# Altium PCB ESM-4G-V1.1 SMT.PcbDoc
Units mil, origin at the board's own origin, x right, y up, seen from the top; angles counter-clockwise.
Board outline 2362.21 x 3543.31 mil, 2 copper layers (Top Layer, Bottom Layer), stack 63.036 mil thick; 75 components, 62 nets, 279 pads, 2 vias.
Unrouted connection lines stored in the file: 183.
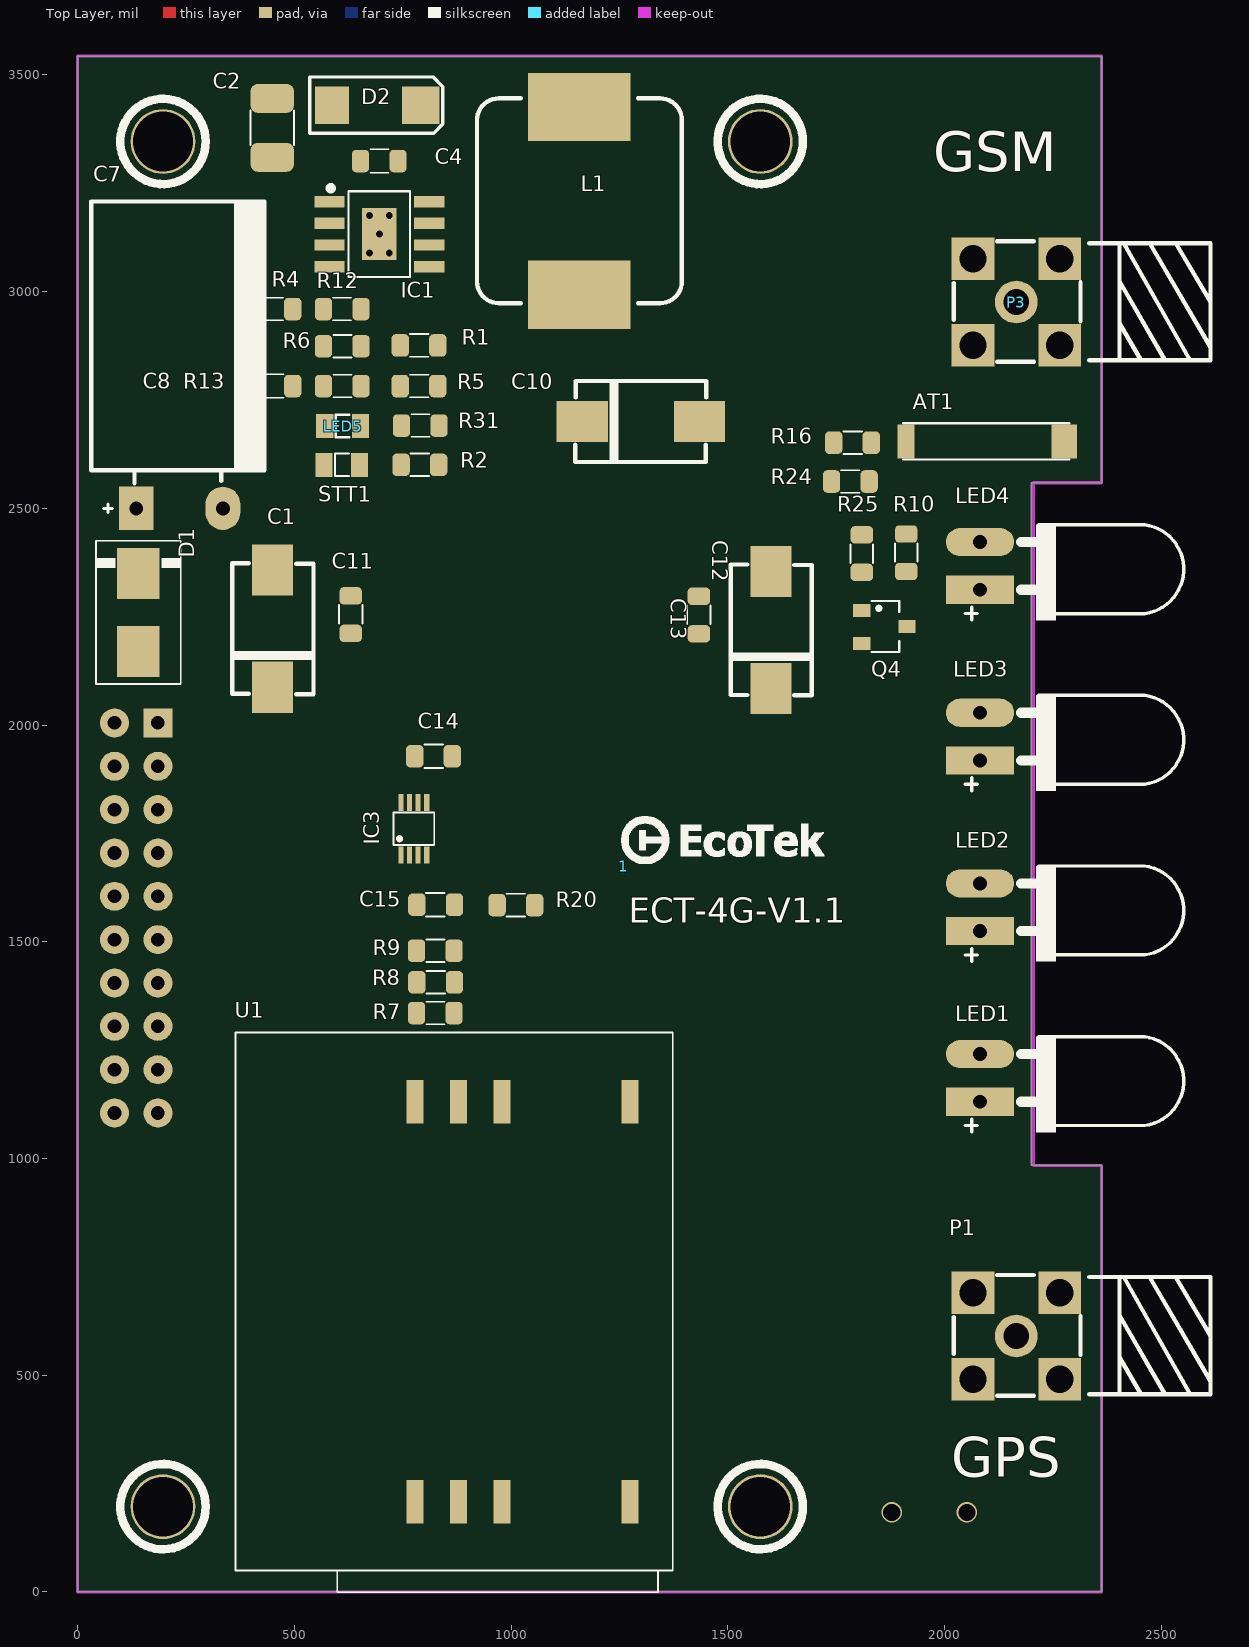
[diagram p0: Top Layer view]
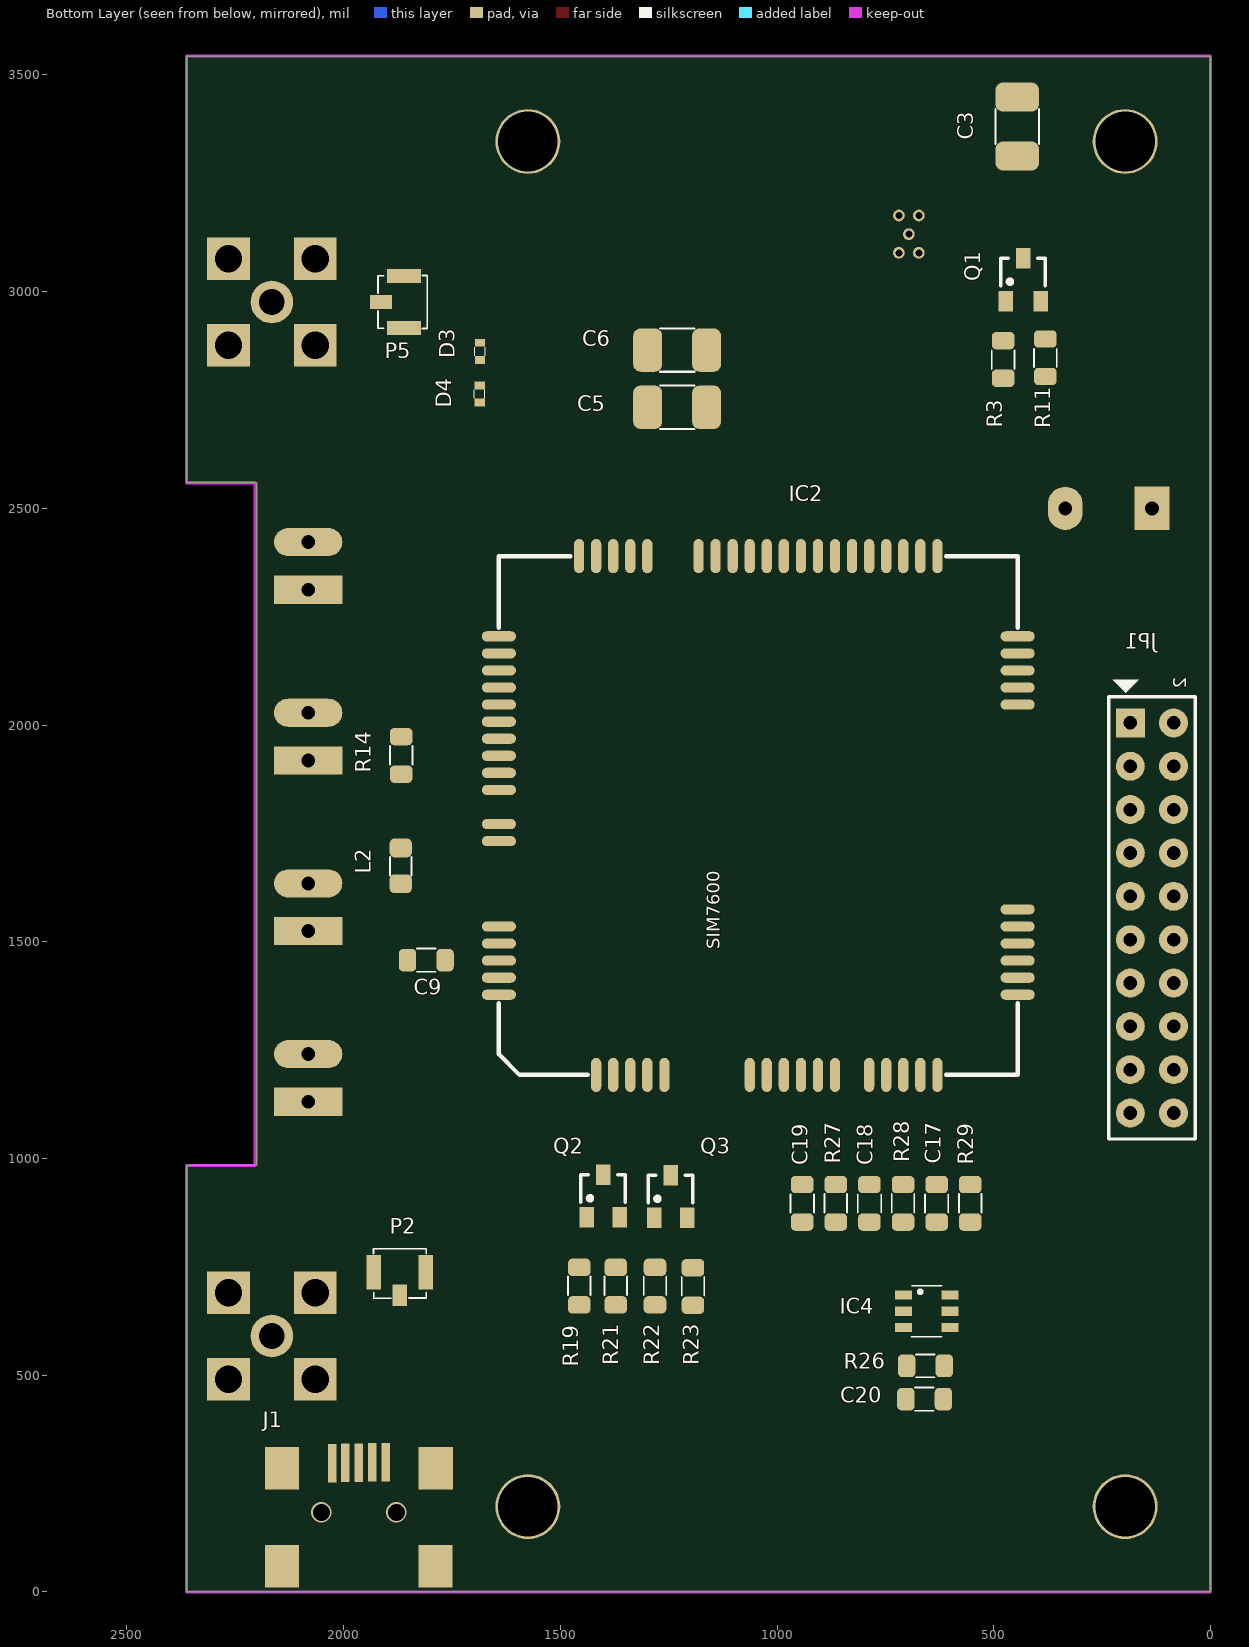
[diagram p1: Bottom Layer view, seen from below]

## Layer stack, top to bottom
Top Solder: solder mask 0.4, Solder Resist, Dk 3.5
Top Layer: signal copper 1.4
Dielectric 1: core 60.2362, FR-4, Dk 4
Bottom Layer: signal copper 1.4
Bottom Solder: solder mask 0.4, Solder Resist, Dk 3.5

## Board outline
0,0 0,3543.31 2362.2,3543.31 2362.2,2559.06 2200,2559.06 2200,984.25 2362.2,984.25 2362.2,0

## Design rules (kind name [scope] priority, off if disabled: settings)
Clearance Clearance_1 [OnLayer('Keep-Out Layer')] p1: gap=5.98 ignorepadtopadclearanceinfootprint=FALSE except(0: Arc-Hole Track-Hole SMDPad-Hole THPad-Hole Via-Hole Fill-Hole Poly-Hole Region-Hole Text-Hole)
Clearance Clearance_ATN [InNet('NetC9_1') or InNet('NetP1_1')] p2: gap=5.98 ignorepadtopadclearanceinfootprint=FALSE except(0: Arc-Hole Track-Hole SMDPad-Hole THPad-Hole Via-Hole Fill-Hole Poly-Hole Region-Hole Text-Hole)
Clearance Clearance_GND [inPolygon] p3: gap=27 ignorepadtopadclearanceinfootprint=FALSE except(0: Arc-Hole Track-Hole SMDPad-Hole THPad-Hole Via-Hole Fill-Hole Poly-Hole Region-Hole Text-Hole)
Clearance [All] p4: gap=5.98 ignorepadtopadclearanceinfootprint=FALSE except(0: Arc-Hole Track-Hole SMDPad-Hole THPad-Hole Via-Hole Fill-Hole Poly-Hole Region-Hole Text-Hole)
ComponentClearance [All] p1: gap=5 collisioncheckmode=3 verticalgap=5 showdistances=FALSE
Height [All] p1: minheight=-500 maxheight=1000 prefheight=393.7
HoleSize [All] p1: absolutevalues=TRUE maxlimit=196.85 minlimit=1 maxpercent=80.000 minpercent=20.000
HoleToHoleClearance [All] p1: gap=6 allowstackedmicrovias=TRUE
MinimumSolderMaskSliver [All] p1: minsoldermaskwidth=2
PlaneConnect [All] p1: planeconnectstyle=Relief reliefexpansion=19.68 reliefentries=4 reliefconductorwidth=31.5 reliefairgap=19.68
PolygonConnect PolygonConnect_VIA [isvia] p1: connectstyle=Direct reliefconductorwidth=10 reliefentries=4 polygonreliefangle="90 Angle" airgapwidth=10
PolygonConnect [All] p2: connectstyle=Relief reliefconductorwidth=10 reliefentries=4 polygonreliefangle="90 Angle" airgapwidth=10
RoutingVias [All] p1: holewidth=17 width=27 viastyle="Through Hole" minholewidth=17 minwidth=27 maxholewidth=17 maxwidth=27
SilkToSilkClearance [All] p1: silktosilkclearance=5
SilkToSolderMaskClearance [IsPad] p1: minsilkscreentomaskgap=1 clearancetoexposedcopper=TRUE
SolderMaskExpansion [All] p1: expansion=5 istentingtop=FALSE
Width Atena [InNet('NetP1_1')or InNet('NetC9_1')] p1: maxlimit=43.31 minlimit=27.56 preferedwidth=43.31
Width [All] p2: maxlimit=27.56 minlimit=11.81 preferedwidth=19.68
22 further rules are at their usual default settings.

## Components (designator, comment, footprint, x,y, rotation, side; value= is the part's Value field where it differs from the comment)
1 "logo" Logo1 1259.84,1674.8 r0 top
AT1 "AMCA92-2R660G-S1F-T" "Antena-Chip - LTE" 2093.5,2654.53 r180 top value="R1/4W - 1K"
C1 "470uF/10V" EEFSDE 449.8,2222.44 r90 top
C2 "2.2uF/50V" C-1210 448.82,3377.95 r270 top
C3 "2.2uF/50V" C-1210 445.87,3380.91 r270 bottom
C4 "100nF" C-0805 695.79,3301.26 r0 top
C5 "47uF/16V" C-1210 1230.32,2733.27 r180 bottom
C6 "47uF/16V" C-1210 1230.32,2865.16 r180 bottom
C7 "1000uF/50V" CP5-10X16N 235,2500 r90 top
C8 "6.8nF" C-0805 452.76,2782.11 r0 top
C9 "33pF" C-0805 1809.06,1457.68 r0 bottom value=103
C10 "470uF/10V" EEFSDE 1299.21,2700.79 r0 top value=1000uF/16V
C11 "100nF" C-0805 629.92,2254.92 r90 top value=103
C12 "100uF/10V" EEFSDE 1599.41,2219.49 r90 top value=1000uF/16V
C13 "100nF" C-0805 1433.07,2253.94 r90 top value=103
C14 "100nF" C-0805 820.87,1928.15 r0 top value=103
C15 "100nF" C-0805 825.79,1585.63 r180 top value=103
C17 "22pF" C-0805 631.69,896.65 r270 bottom value=103
C18 "22pF" C-0805 786.81,896.65 r270 bottom value=103
C19 "22pF" C-0805 941.93,896.65 r270 bottom value=103
C20 "100nF" C-0805 659.45,444.88 r0 bottom value=103
D1 "1N5408" SMB#1 140,2260 r90 top
D2 "B360C" SMB#2 688.98,3430.23 r180 top
D3 "LXES15AAA1-153" R-0402 1685.04,2862.2 r90 bottom value="Diode c?m 1N5408"
D4 "LXES15AAA1-153" R-0402 1686.02,2763.78 r270 bottom value="Diode c?m 1N5408"
IC1 "TPS54360" "SOIC-8 - PW" 695.79,3132.6 r0 top
IC2 "SIM7600E-H" SIM7600 1043.31,1791.34 r90 bottom
IC3 "TXB0102DCUR" US8 775.59,1760.83 r90 top
IC4 "TPD4E001" "SOT23-6 - 2" 654.53,647.64 r180 bottom
J1 "USB-5" USB-M2 1961.61,162.4 r0 bottom
JP1 "Header 10X2" JP10X2-FMD-2.54 135,1555 r270 bottom
L1 "8.2uH/5A" L-L-12X12 1157.48,3209.65 r270 top
L2 "47nH" L-0805 1868.11,1675.2 r270 bottom value="150 mH"
LED1 "LED" LED-5-N 2086.61,1181.1 r0 top
LED2 "LED" LED-5-N 2086.61,1574.8 r0 top locked
LED3 "LED" LED-5-N 2086.61,1968.5 r0 top locked
LED4 "LED" LED-5-N 2086.61,2362.2 r0 top locked
LED5 "LED" LED-0805 611.22,2689.96 r180 top
P1 "Antenna" IPXS_1 2165.35,590.55 r0 top
P2 "Antenna" IPXS 1870.08,708.66 r270 bottom
P3 "Antenna" IPXS_1 2165.35,2976 r0 top
P5 "Antenna" IPXS 1889.76,2976 r0 bottom
Q1 "C1815" "SOT23-3 TRAN" 431.76,3027.56 r180 bottom
Q2 "C1815" SOT23#1 1401.57,913.39 r180 bottom
Q3 "C1815" SOT23#1 1245.94,912.13 r180 bottom
Q4 "C1815(MMBT4401)" SOT23#2 1861.22,2227.36 r270 top
R1 "10K" R-0805 787.4,2876 r0 top
R2 "1k" R-0805 790.35,2690.94 r0 top
R3 "1k" R-0805 478.35,2843.5 r270 bottom
R4 "150k" R-0805 452.76,2959.78 r180 top
R5 "12k" R-0805 787.4,2782.11 r0 top
R6 "4k7" R-0805 610.24,2874.02 r0 top
R7 "220R" R-0805 824.8,1335.63 r0 top
R8 "220R" R-0805 825.79,1406.5 r0 top
R9 "220R" R-0805 824.8,1479.33 r0 top
R10 "220R" R-0805 1911.42,2397.64 r90 top
R11 "10k" R-0805 380.91,2847.44 r270 bottom
R12 "12k" R-0805 610.24,2959.78 r180 top
R13 "1k" R-0805 610.24,2782.11 r0 top
R14 "10R" R-0805 1867.13,1930.12 r90 bottom value="R1/4W - 1K"
R16 "0R" R-0805 1787.4,2651.57 r0 top value="R1/4W - 1K"
R19 "1k" R-0805 1456.33,705.71 r90 bottom
R20 "10k" R-0805 1010.83,1584.65 r180 top
R21 "10K" R-0805 1372.05,705.71 r90 bottom
R22 "1k" R-0805 1281.5,705.71 r90 bottom
R23 "10K" R-0805 1193.9,704.72 r90 bottom
R24 "10k" R-0805 1782.48,2562.01 r180 top
R25 "470R" R-0805 1809.06,2395.67 r270 top value="R1/4W - 1K"
R26 "10k" R-0805 657.48,521.65 r0 bottom
R27 "22R" R-0805 864.37,896.65 r90 bottom
R28 "22R" R-0805 709.25,896.65 r90 bottom
R29 "22R" R-0805 554.13,896.65 r90 bottom
R31 "470R" R-0805 789.37,2600.39 r180 top value="R1/4W - 1K"
STT1 "LED" LED-SMD-0805 609.25,2600.39 r180 top value="LED 3 ly Single Colour"
U1 "Sim holder" SIM_HOLDER 878.56,669.29 r0 top

## Footprints (in the part's own frame and the unit in brackets; to place one, negate y for a bottom-side part, rotate by r counter-clockwise, add the part's x,y. Pads: shape width x height; smd on the part's side, far side on the other; paste and mask are expansions set on the pad)
"Antena-Chip - LTE" [mm]
  rect 1x2 smd: 1(4.625,0)
  rect 1.5x2 smd: 2(-4.625,0)
  silkscreen extent -4.95,-1.07 4.8,1.07, body extent -4.93,-0.99 4.75,0.99, height 1.21
C-0805 [mil] "Compoment SMD 80x50mil"
  rrect50% 40x52 smd: 1(-43.31,0) 2(43.31,0)
  silkscreen extent -21,-27 22,27, body extent -39,-26 39,24, height 31
C-1210 [mil]
  rrect50% 67x100 smd: 1(-68,0) 2(68,0)
  silkscreen extent -40,-50 40,50, body extent -63,-49 63,49, height 98
CP5-10X16N [mil] "Tu hoa 1000uF/16V/25V/50V"
  rect 100x80 hole 32: 1(0,100)
  oval 100x80 hole 32: 2(0,-100)
  silkscreen extent -10,-196 708,204, body extent -12,-199 697,197, height 395
EEFSDE [mm]
  rect 3x2.4 smd: 1(-3.429,0) 2(3.429,0)
  silkscreen extent -3.84,-2.39 3.84,2.36, body extent -3.81,-2.15 3.81,2.15, height 4.21
IPXS [mil] "SOT 23 _ 1-3-2"
  rect 50x33 smd: 1(24,0)
  rect 79x33 smd: 2(-29,-60) 3(-29,60)
  silkscreen extent -83,-61 31,61, body extent -80,-59 32,59, height 50
IPXS_1 [mm]
  round 2.5 hole 1.5 paste+0: 1(0,0)
  rect 2.5x2.5 hole 1.6: 2(-2.54,-2.54) 2(-2.54,2.54) 2(2.54,-2.54) 2(2.54,2.54)
  silkscreen extent -3.66,-3.51 11.38,3.57, body extent -3.52,-5.11 15.98,5.09, height 11.7
JP10X2-FMD-2.54 [mm]
  rect 1.7x1.7 hole 0.8: 1(-11.43,-1.27)
  round 1.7 hole 0.8: 2(-11.43,1.27) 3(-8.89,-1.27) 4(-8.89,1.27) 5(-6.35,-1.27) 6(-6.35,1.27) 7(-3.81,-1.27) 8(-3.81,1.27) 9(-1.27,-1.27) 10(-1.27,1.27) 11(1.27,-1.27) 12(1.27,1.27) 13(3.81,-1.27) 14(3.81,1.27) 15(6.35,-1.27) 16(6.35,1.27) 17(8.89,-1.27) 18(8.89,1.27) 19(11.43,-1.27) 20(11.43,1.27)
  silkscreen extent -13.97,-2.54 12.95,2.54, body extent -12.7,-2.54 12.7,2.54, height 5.55
L-0805 [mm] "Compoment SMD 80x50mil"
  rrect50% 1.1x1.3 smd: 1(-1.05,0) 2(1.05,0)
  silkscreen extent -0.53,-0.64 0.56,0.64, body extent -1,-0.6 1,0.6, height 0.95
L-L-12X12 [mm]
  rect 4x6 smd: 1(-5.5,0) 2(5.5,0)
  silkscreen extent -6,-6 6,6, body extent -6.25,-6.25 6.25,6.25, height 6.7
LED-5-N [mil]
  rect 157.48x65 hole 32: 1(-5,-50)
  oval 157.48x65 hole 32: 2(-5,60)
  silkscreen extent -39,-120 465,100, body extent -111,-115 471,98, height 130
LED-0805 [mm]
  rect 1x1.397 smd: 1(-1.05,0) 2(1.05,0)
  silkscreen extent -0.41,-0.66 0.41,0.66, body extent -1.05,-0.67 1.05,0.68, height 0.9
LED-SMD-0805 [mm]
  rect 1x1.397 smd: 1(-1.05,0) 2(1.05,0)
  silkscreen extent -0.41,-0.66 0.41,0.66, body extent -1.05,-0.67 1.05,0.68, height 0.9
Logo1 [mil] "LogoElcomTek"
  silkscreen extent -6,6 462,115
R-0402 [mil]
  rect 18x23.62 smd: 1(-19.69,0) 2(19.69,0)
  silkscreen extent -10,-12 10,12, body extent -20,-10 20,10, height 14
R-0805 [mil] "Compoment SMD 80x50mil"
  rrect50% 40x52 smd: 1(-43.31,0) 2(43.31,0)
  silkscreen extent -21,-26 22,26, body extent -40,-25 40,25, height 24
SIM7600 [mm]
  oval 2x0.6 smd: 1(-15.2,9.5) 2(-15.2,8.5) 3(-15.2,7.5) 4(-15.2,6.5) 5(-15.2,5.5) 10(-15.2,0.5) 11(-15.2,-0.5) 12(-15.2,-1.5) 13(-15.2,-2.5) 14(-15.2,-3.5) 15(-15.2,-4.5) 17(-15.2,-6.5) 18(-15.2,-7.5) 19(-15.2,-8.5) 20(-15.2,-9.5) 41(15.2,-9.5) 42(15.2,-8.5) 43(15.2,-7.5) 44(15.2,-6.5) 45(15.2,-5.5) 46(15.2,-4.5) 47(15.2,-3.5) 48(15.2,-2.5) 49(15.2,-1.5) 50(15.2,-0.5) 51(15.2,0.5) 52(15.2,1.5) 53(15.2,2.5) 54(15.2,3.5) 57(15.2,6.5) 58(15.2,7.5) 59(15.2,8.5) 60(15.2,9.5) 81(-15.2,-10.5) 82(15.2,-10.5) 85(15.2,10.5)
  oval 0.6x2 smd: 21(-9.5,-15.2) 22(-8.5,-15.2) 23(-7.5,-15.2) 24(-6.5,-15.2) 25(-5.5,-15.2) 37(6.5,-15.2) 38(7.5,-15.2) 39(8.5,-15.2) 40(9.5,-15.2) 61(9.5,15.2) 62(8.5,15.2) 63(7.5,15.2) 64(6.5,15.2) 65(5.5,15.2) 66(4.5,15.2) 67(3.5,15.2) 68(2.5,15.2) 69(1.5,15.2) 71(-0.5,15.2) 72(-1.5,15.2) 77(-6.5,15.2) 78(-7.5,15.2) 79(-8.5,15.2) 80(-9.5,15.2) 83(10.5,-15.2) 84(-10.5,-15.2) 86(-10.5,15.2) 87(10.5,15.2)
  silkscreen extent -15.2,-15.2 15.2,15.2, body extent -15.29,-15.33 15.26,15.24, height 3.18
SIM_HOLDER [mm]
  rect 1x2.54 smd: 1(-2.542,11.72) 2(-0.002,11.72) 3(2.538,11.72) 4(10.058,11.72) 5(-2.542,-11.72) 6(-0.002,-11.72) 7(2.538,-11.72) 8(10.058,-11.72)
  silkscreen extent -13.07,-17.02 12.56,15.78, body extent -12.81,-17.02 12.3,15.27, height 3.5
SMB#1 [mm]
  rect 3x2.5 smd: 1(-2.286,0) 2(2.286,0)
  silkscreen extent -4.19,-2.48 4.19,2.48, body extent -2.79,-1.97 2.79,1.97, height 2.65
SMB#2 [mm]
  rect 2x2.2 smd: 1(2.6,0)
  rect 2.2x2.2 smd: 2(-2.6,0)
  silkscreen extent -3.9,-1.65 3.9,1.65, body extent -2.79,-1.97 2.79,1.98, height 2.6
"SOIC-8 - PW" [mil]
  rect 70x26 smd: 1(-115,75) 2(-115,25) 3(-115,-25) 4(-115,-75) 5(115,-75) 6(115,-25) 7(115,25) 8(115,75)
  round 27 hole 16: 9(-23,-43) 9(-23,43) 9(0,0) 9(23,-43) 9(23,43)
  rect 80x120 smd: 9(0,0)
  silkscreen extent -118,-99 71,112, body extent -119,-99 119,99, height 63
SOT23#1 [mm] "SOT 23 _ 1-3-2"
  rect 0.85x1.2 smd: 1(-0.94,-1.245) 2(0.985,-1.25) 3(0.005,1.25)
  silkscreen extent -1.29,-0.38 1.31,1.25, body extent -1.5,-1.5 1.52,1.5, height 1.27
SOT23#2 [mm] "SOT 23 _ 1-3-2"
  rect 0.762x1.016 smd: 1(-0.94,-1.321) 2(0.985,-1.321) 3(0.005,1.321)
  silkscreen extent -1.5,-0.76 1.5,0.86, body extent -1.45,-1.4 1.45,1.4, height 1.3
"SOT23-3 TRAN" [mm] "SOT23-3 1-3-2"
  rect 0.85x1.2 smd: 1(1.016,-1.26) 2(-0.018,1.26) 3(-1.016,-1.26)
  silkscreen extent -1.32,-0.37 1.28,1.26, body extent -1.5,-1.49 1.5,1.51, height 1.3
"SOT23-6 - 2" [mm] "SOT23, 5-Leads, Body 3.0x3.0mm (max), Pitch 0.95mm, IPC Medium Density"
  rect 1x0.55 smd: 1(-1.372,0.95) 2(-1.372,0) 3(-1.372,-0.95) 4(1.372,-0.95) 5(1.372,0) 6(1.372,0.95)
  silkscreen extent -0.89,-1.5 0.89,1.5, body extent -1.4,-1.45 1.4,1.45, height 1.45
US8 [mm] "Small Outline; 8 Leads; Body Width 3.9 mm; Pitch 1.27 mm"
  rect 1x0.3 smd: 1(-1.55,0.75) 2(-1.55,0.25) 3(-1.55,-0.25) 4(-1.55,-0.75) 5(1.55,-0.75) 6(1.55,-0.25) 7(1.55,0.25) 8(1.55,0.75)
  silkscreen extent -0.94,-1.19 0.94,1.19, body extent -1.6,-1.2 1.6,1.2, height 0.9
USB-M2 [mm]
  rect 0.5x2.25 smd: 1(1.651,-3.429) 2(0.864,-3.442) 3(0.076,-3.454) 4(-0.711,-3.467) 5(-1.499,-3.48)
  rect 2x2.5 smd: 5(-4.424,-3.124) 5(-4.42,2.616) 5(4.576,-3.124) 5(4.58,2.616)
  body extent -5.27,-3.8 5.43,5.4, height 3.95

## Part data
AT1 R14 R16: library part RES, "Resistor 1/4W"
C1 C7: library part CP
C2 C3: library part CN, "part C3225X7R2A225K230AB"
C4 C5 C6 C8: library part CN
C9 C11 C13 C14 C15 C17 C18 C19 C20: library part C, "Cap SMD"
C10 C12: library part CP4, "Cap 1000uF/16V - 220uF/50V", Description 1="2200uF-3300uF/6,3V - 1000uF-2200uF/10V", Description 2="1000uF/16V - 470uF => 1000uF/25V - 100uF/100V", Description 3=330uF>470uF/35V_220uF>470uF/50V_10uF>22uF/250V, Description 4="220uF => 330uF/63V - 10uF =>33uF/160 - 200V", Description 5="4,7uF>10uF/250V_3,3uF>10uF/400V - 2,2uF>4,7uF/450V"
D1: library part Diode, "Diode S3M 3A 1000V"
D2: library part "Diode scotky", "part: B560C-13-F"
D3 D4: library part 1N5822
IC1: "TPS54360 60 V Input, 3.5 A, Step Down DC-DC Converter with Eco-mode™"
IC2: "SIM7600E-H GSM/LTE CAT4/GPS"
IC3: "2-BIT BIDIRECTIONAL VOLTAGE-LEVEL TRANSLATOR"
J1: Manufacturer=FCI, Manufacturer Part Number=10118193-0001LF, Supplier Part Number 1=609-4616-1-ND, .Checked PCB=RF, .Checked SCH=MM, .Creator=MM, Category="Connectors, Interconnects", ComponentLink1Description=http://portal.fciconnect.com/Comergent//fci/drawing/10118193.pdf, ComponentLink1URL=http://portal.fciconnect.com/Comergent//fci/drawing/10118193.pdf, Connector Type="USB - micro B", Features="Shielded, Solder Retention", Gender=Receptacle, Ingress Protection=-, Mounting Type="Surface Mount, Right Angle, Horizontal", Number of Contacts=5, Packaging="Cut Tape (CT)", Pricing 1="1=0.46, 10=0.433, 25=0.3712, 50=0.3156, 100=0.3032, 250=0.27224, 500=0.25988 (USD)", RoHS="RoHS Compliant", Specifications="USB 2.0", Stock 1=28642, Supplier 1=Digi-Key
JP1: "Header, 10-Pin, Dual row", LatestRevisionDate=17-Jul-2002, LatestRevisionNote="Re-released for DXP Platform.", Publisher="Altium Limited"
L1: library part L1, "part: 7447797820"
L2: library part "Inductor Ferit", "Ferrite Beads Rated current > 1A"
P1 P2 P3 P5: library part IPXSx66, "Antenna GSM GPS"
Q2 Q3 Q4: library part NPN, "Transistor C1815, SOT23", Name=C1815
R1 R2 R3 R4 R5 R6 R7 R8 R9 R10 R11 R12 R13 R19 R20 R21 R22 R23 R24 R25 R26 R27 R28 R29 R31: library part R, "Resistor 1/4W"
STT1: "LED Single colour Green and Red"
U1: library part Component_1, valua="Sim holder"

## Free pads (board coordinates)
  round 149.61 hole 137.8: 0(196.85,196.85) 1(1574.8,196.85) 2(1574.8,3346.46) 3(196.85,3346.46)

## Via types
v1: diameter 47.24, hole 39.37, Top Layer to Bottom Layer, tented both sides, 2 vias

## Nets (pads, with @x,y where several pads share a name; then routed paths per layer and width w, separated by ;. In a path a pad name is that pad's centre, name@x,y a point inside that pad or via, vN(x,y) a via of type N, cw(c..) or ccw(c..) an arc to the next point about the centre after c; other vN are vias at no path point)
1V8: C15.1 IC2.15 IC3.3 R20.2
3V3: C14.1 IC3.7 JP1.9 JP1.10 LED1.1 LED2.1 LED3.1 LED4.1
3V8: C1.1 C5.2 C6.2 C10.1 C11.1 C12.1 C13.1 IC2.38 IC2.39 IC2.62 IC2.63 L1.2 R1.2 R2.2 R14.2
A: AT1.2
CLK: IC4.6 R29.1 U1.3
CTRL-SIMPW: JP1.12 R3.2
D+: IC2.13 J1.3
D-: IC2.12 J1.2
DATA: IC4.3 R26.2 R27.1 U1.7
GND: C1.2 C2.1 C3.1 C5.1 C6.1 C7.2 C8.1 C10.2 C11.2 C12.2 C13.2 C14.2 C15.2 C17.2 C18.2 C19.2 C20.2 D2.1 D3.1 D4.1 IC1.7 IC1.9 IC2.1 IC2.2 IC2.5 IC2.10 IC2.14 IC2.37 IC2.40 IC2.41 IC2.43 IC2.57 IC2.58 IC2.60 IC2.61 IC2.64 IC2.65 IC2.77 IC2.78 IC2.80 IC2.81 IC3.2 IC4.2 J1.4 J1.5 JP1.5 JP1.6 JP1.7 JP1.8 LED5.2 P1.2 P2.2 P2.3 P3.2 P5.2 P5.3 Q1.1 Q2.2 Q3.2 Q4.2 R6.1 R11.1 R12.1 R21.2 R23.2 R24.1 STT1.2 U1.5 U1.8
LED4: JP1.17 R7.1
LED5: JP1.18 R8.1
LED6: JP1.15 R9.1
LED_NET: IC2.51 R25.1
NetAT1_1: AT1.1 R16.2
NetC2_2: C2.2 C3.2 C7.1 D1.2 IC1.2
NetC4_1: C4.1 IC1.1
NetC4_2: C4.2 D2.2 IC1.8 L1.1
NetC8_2: C8.2 R13.1
NetC9_1: C9.1 IC2.79
NetC9_2: C9.2 L2.2 P1.1 P2.1
NetC17_1: C17.1 IC2.19 R29.2
NetC18_1: C18.1 IC2.18 R28.2
NetC19_1: C19.1 IC2.17 R27.2
NetD3_2: D3.2 IC2.82 P3.1 P5.1
NetD4_2: D4.2 IC2.59 R16.1
NetIC1_3: IC1.3 Q1.2
NetIC1_4: IC1.4 R4.2
NetIC1_5: IC1.5 R1.1 R6.2
NetIC1_6: IC1.6 R5.2
NetIC2_3: IC2.3 Q2.3
NetIC2_4: IC2.4 Q3.3
NetIC2_85: IC2.85 R24.2
NetIC3_6: IC3.6 R20.1
NetL2_1: L2.1 R14.1
NetLED1_2: LED1.2 R7.2
NetLED2_2: LED2.2 R8.2
NetLED3_2: LED3.2 R9.2
NetLED4_2: LED4.2 R10.2
NetLED5_1: LED5.1 R2.1
NetQ1_3: Q1.3 R3.1 R11.2
NetQ2_1: Q2.1 R19.2 R21.1
NetQ3_1: Q3.1 R22.2 R23.1
NetQ4_1: Q4.1 R25.2
NetR4_1: R4.1 R12.2
NetR5_1: R5.1 R13.2
NetR31_2: R31.2 STT1.1
RST: IC4.1 R28.1 U1.2
RX-SIM: IC2.68 IC3.4
SIM-CTS: JP1.11
SIM-DTR: JP1.16
SIM-PWON: JP1.20 R19.1
SIM-RST: JP1.19 R22.1
SIM-RXD: IC3.1 JP1.14
SIM-TXD: IC3.8 JP1.13
SIM_LED: Q4.3 R10.1
STATUS: IC2.49 R31.1
TX-SIM: IC2.71 IC3.5
V_USIM: C20.1 IC2.20 IC4.5 R26.1 U1.1
VBUS: IC2.11 J1.1
VDD_AUX: IC2.44
VIN: D1.1 JP1.1 JP1.2 JP1.3 JP1.4
pads on no net: IC2.21 IC2.22 IC2.23 IC2.24 IC2.25 IC2.42 IC2.45 IC2.46 IC2.47 IC2.48 IC2.50 IC2.52 IC2.53 IC2.54 IC2.66 IC2.67 IC2.69 IC2.72 IC2.83 IC2.84 IC2.86 IC2.87 IC4.4 U1.4 U1.6
copper on no net:
  other v1: 1878,183.83 2051.23,183.83

## Keep-outs
Keep-Out Layer:
  lines w7: 0,0 0,3543.31 2362.2,3543.31 2362.2,2559.06 2204.72,2559.06 2204.72,984.25 2362.2,984.25 2362.2,0 0,0

## Silkscreen, mask and mechanical layers (free items; w line width, h text height)
Top Overlay:
  circle w19.68: c1574.8,196.85 r98.43
  circle w19.68: c196.85,196.85 r98.43
  circle w19.68: c196.85,3346.46 r98.43
  circle w19.68: c1574.8,3346.46 r98.43
  text "GSM" at 1973.64,3248.03 h157.48
  text "ECT-4G-V1.1" at 1270.84,1524.8 h98.43
  text "GPS" at 2015,236.22 h157.48

## Text inside footprints (layer, text, board x,y; h text height)
IC2: Bottom Overlay "SIM7600" at 1131.89,1482.78 h30 r270
JP1: Bottom Overlay "2" at 56.29,2110.08 h30 r270